# Altium PCB WhiteRHINO_0v1.PcbDoc (part 1 of 10) (continued)
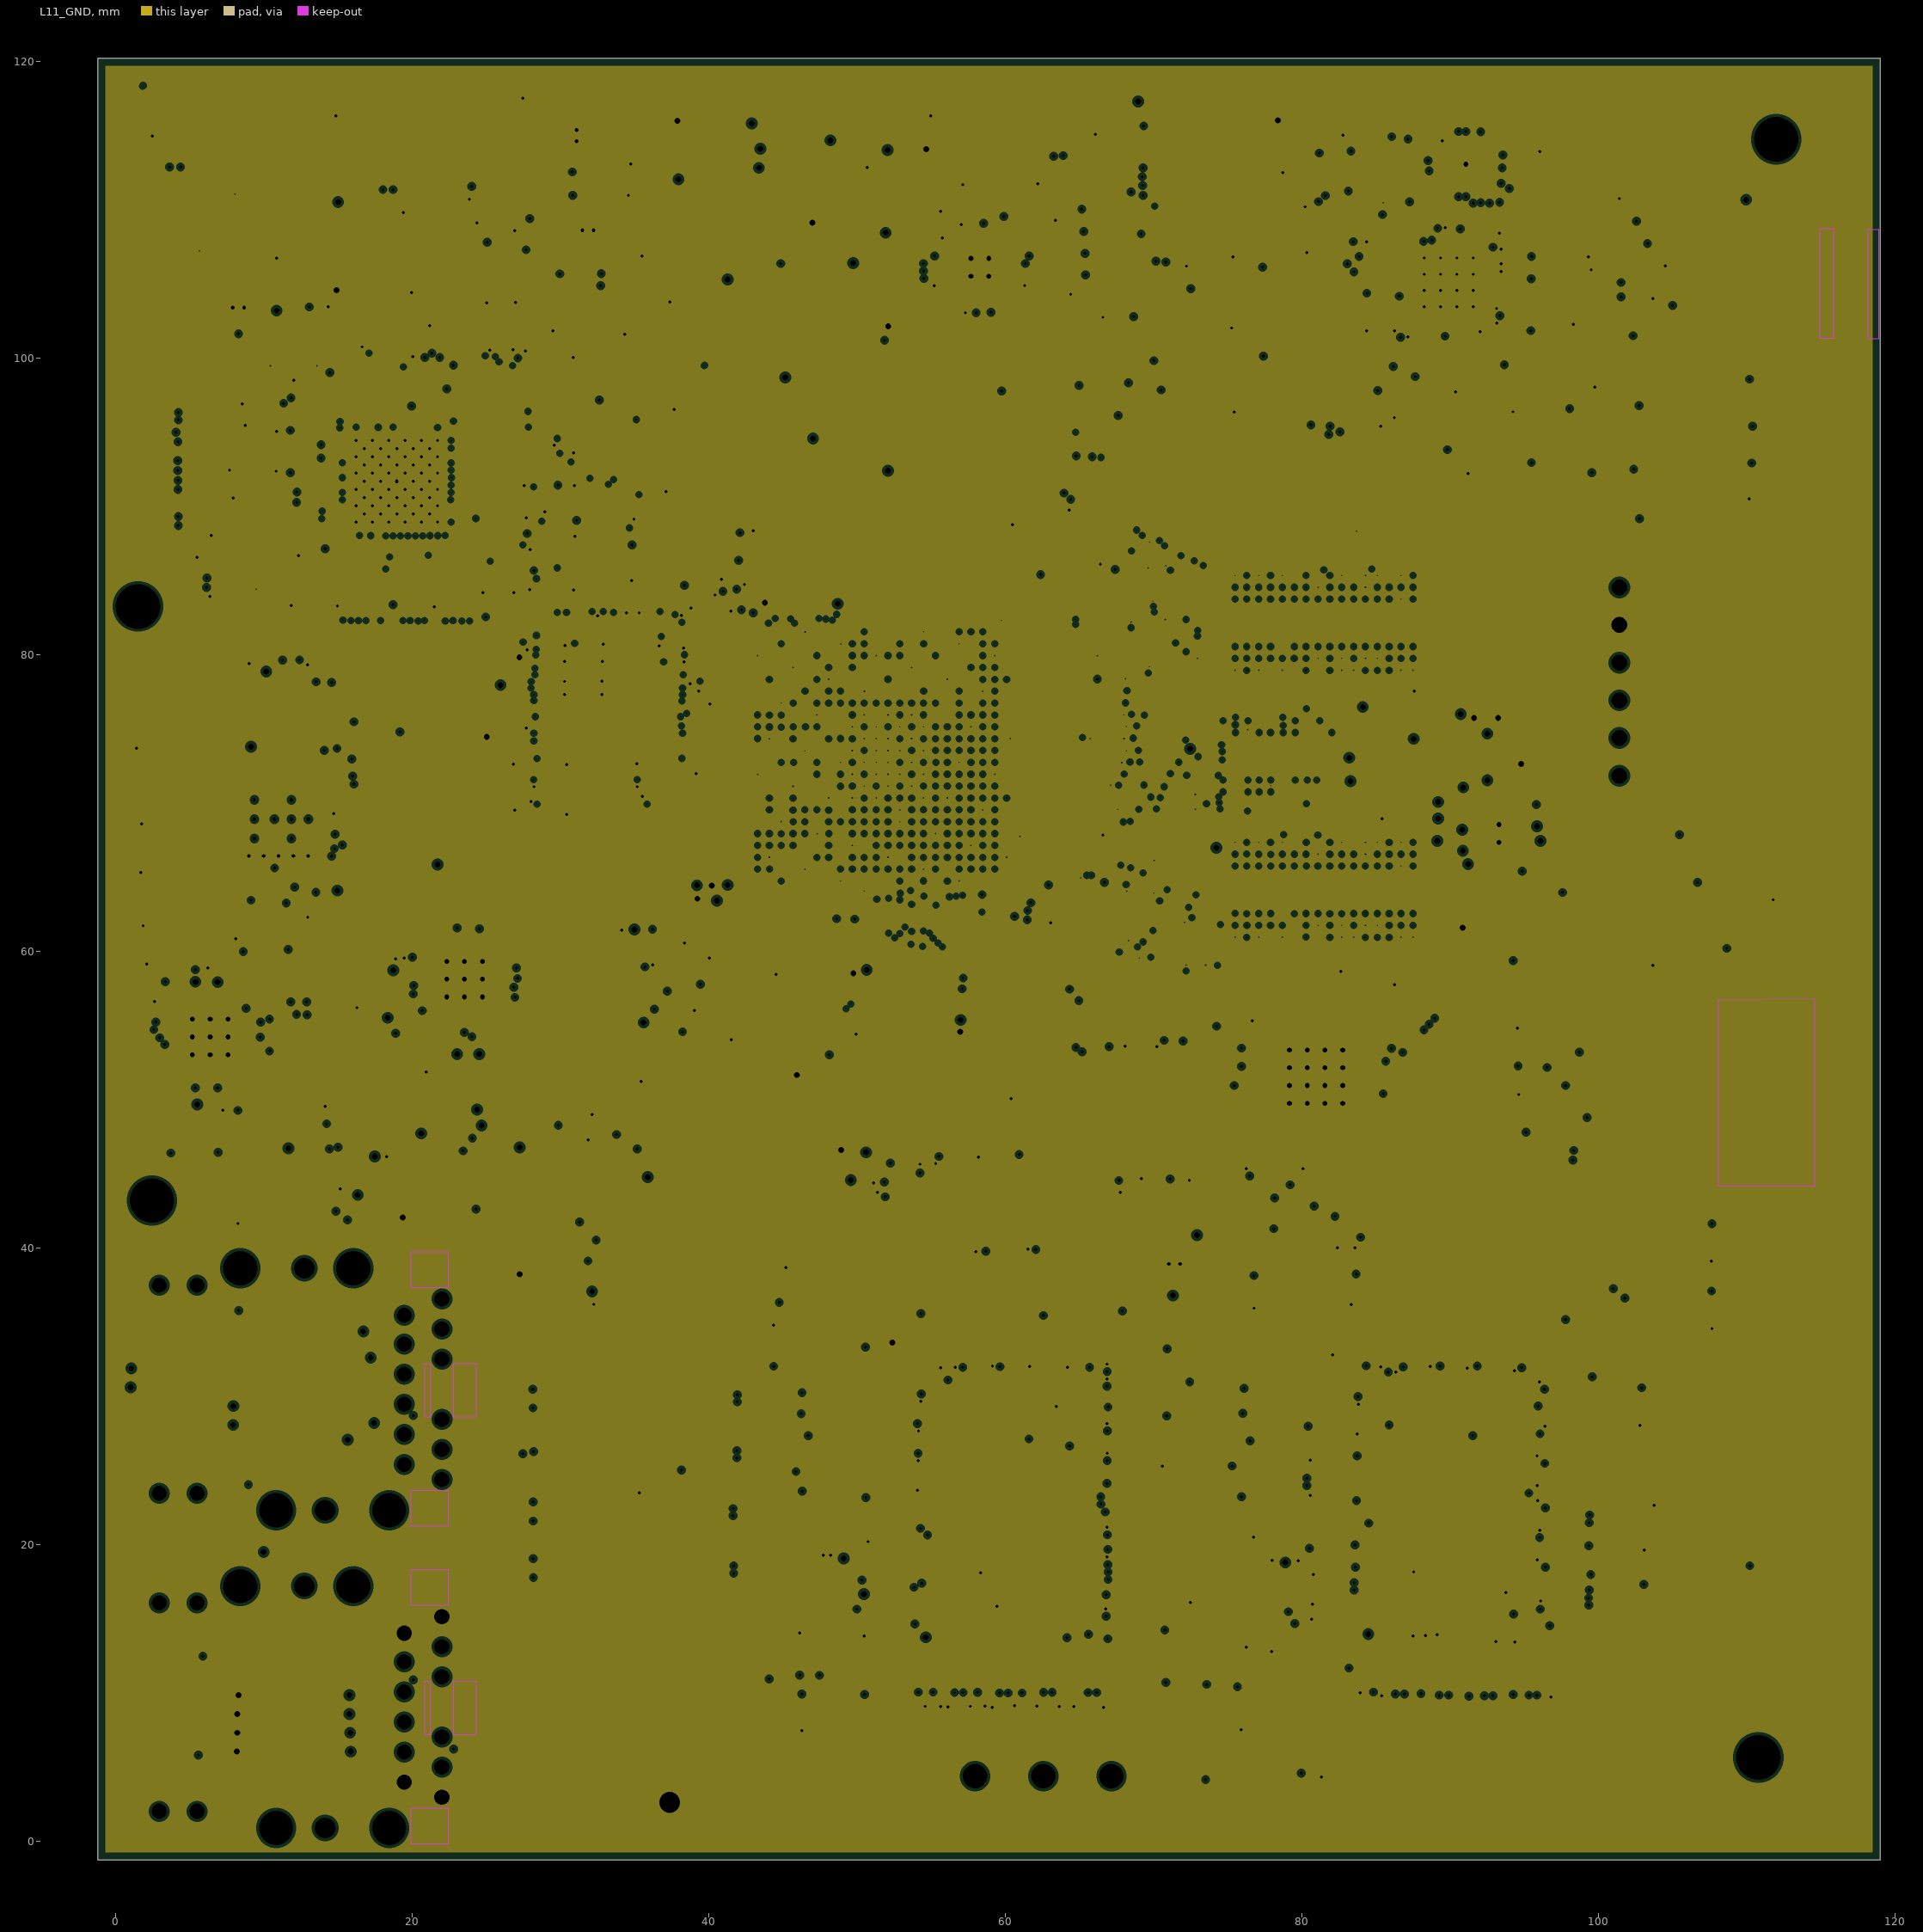
[diagram p11: L11_GND, clearances drawn from the general rule]

## Layer stack, top to bottom
L1_Top Layer: signal copper 0.015
Dielectric: core 0.077, FR-4, Dk 4.4
L2_GND: plane copper 0.015, net GND
Dielectric: prepreg 0.12, FR-4, Dk 4.4
L3_Critical: signal copper 0.015
Dielectric: core 0.12, FR-4, Dk 4.4
L4_Critical: signal copper 0.015
Dielectric: prepreg 0.12, FR-4, Dk 4.4
L5_GND: plane copper 0.015, net GND
Dielectric: core 0.12, FR-4, Dk 4.4
L6_Power: plane copper 0.015, net (Multiple Nets)
Dielectric: prepreg 0.12, FR-4, Dk 4.4
L7_Non-Critical: signal copper 0.015
Dielectric: core 0.12, FR-4, Dk 4.4
L8_Power: plane copper 0.015, net (Multiple Nets)
Dielectric: prepreg 0.12, FR-4, Dk 4.4
L9_Critical: signal copper 0.015
Dielectric: core 0.12, FR-4, Dk 4.4
L10_Critical: signal copper 0.015
Dielectric: prepreg 0.12, FR-4, Dk 4.4
L11_GND: plane copper 0.015, net GND
Dielectric: core 0.077, FR-4, Dk 4.4
L12_Bottom Layer: signal copper 0.015

## Board outline
-1.175,-1.3 119.025,-1.3 119.025,120.2 -1.175,120.2

## Design rules (kind name [scope] priority, off if disabled: settings)
AssemblyTestpoint [All] p1: testpointundercomponent=TRUE minsize=0.05 maxsize=2.54 preferedsize=1.524 minholesize=0 maxholesize=1.016 preferedholesize=0.813 testpointgrid=0.025 usegrid=FALSE gridoriginx=773.161 gridoriginy=248.704 gridtolerance=0 allowsidetop=TRUE allowsidebottom=TRUE
AssemblyTestpoint AssemblyTestpoint_1 [(IsPad And (OnTopLayer Or OnBottomLayer))] p2: testpointundercomponent=TRUE minsize=2 maxsize=2.54 preferedsize=1.524 minholesize=0 maxholesize=1.016 preferedholesize=0.813 testpointgrid=0.025 usegrid=FALSE gridoriginx=773.161 gridoriginy=248.704 gridtolerance=0 allowsidetop=TRUE allowsidebottom=TRUE
Clearance LMS_DIG_IO_Clearance [(InNet('LMS_DIG_IO'))] p1: gap=0.2
Clearance Ethernet_ProcBus_Clearance [InNetClass('Ethernet_1_ProcBus') OR InNetClass('Ethernet_2_ProcBus')] p2: gap=0.2
Clearance DiffPair_All_Clearance [(InDifferentialPairClass('All Differential Pairs'))] p3: gap=0.1
Clearance SinglEnded_DDR3_Clearance [(InNetClass('DDR3_A[0..14]') OR InNetClass('DDR3_BA[0..2]') OR InNetClass('DDR3_CNTL') OR InNetClass('DDR3_DM') OR InNetClass('DDR3_DQ'))] p4: gap=0.2
Clearance DiffPair_DDR3_Clearance [InDifferentialPair('DDR3_CLK0','DDR3_DQS1','DDR3_DQS2','DDR3_DQS3')] p5: gap=0.3
Clearance [All] p6: gap=0.1
DiffPairsRouting DiffPair_EthMDIO_DiffPairsRouting [InDifferentialPair ('MDID','MDIC','MDIB','MDIA','ETH2_MDID','ETH2_MDIC','ETH2_MDIB','ETH2_MDIA','A_D','B_D','C_D','D_D')] p1: maxlimit=0.254 minlimit=0.125 mostfreqgap=0.183 midlayer5_mingap=0 midlayer5_maxgap=0 midlayer5_prefgap=0 maxuncoupledlength=12.7
DiffPairsRouting DiffPair_DDR3_100ohm_DiffPairsRouting [InDifferentialPair ('DDR3_CLK0','DDR3_DQS1','DDR3_DQS2','DDR3_DQS3')] p2: maxlimit=0.254 minlimit=0.125 mostfreqgap=0.183 midlayer5_mingap=0 midlayer5_maxgap=0 midlayer5_prefgap=0 maxuncoupledlength=12.7
DiffPairsRouting DiffPair_RXIN1_DiffPairsRouting [InDifferentialPair ('RXIN1')] p3: maxlimit=0.254 minlimit=0.125 mostfreqgap=0.15 midlayer5_mingap=0 midlayer5_maxgap=0 midlayer5_prefgap=0 maxuncoupledlength=12.7
DiffPairsRouting DiffPair_TXOUT1_DiffPairsRouting [InDifferentialPair ('TXOUT1')] p4: maxlimit=1 minlimit=0.125 mostfreqgap=0.151 midlayer5_mingap=0 midlayer5_maxgap=0 midlayer5_prefgap=0 maxuncoupledlength=12.7
DiffPairsRouting DiffPair_TXOUT2_DiffPairsRouting [InDifferentialPair ('TXOUT2')] p5: maxlimit=1 minlimit=0.125 mostfreqgap=0.151 midlayer5_mingap=0 midlayer5_maxgap=0 midlayer5_prefgap=0 maxuncoupledlength=12.7
DiffPairsRouting DiffPair_USB_JTAG_D_DiffPairsRouting [InDifferentialPair ('USB_JTAG_D')] p6: maxlimit=0.254 minlimit=0.125 mostfreqgap=0.151 midlayer5_mingap=0 midlayer5_maxgap=0 midlayer5_prefgap=0 maxuncoupledlength=12.7
DiffPairsRouting DiffPair_DiffPairsRouting [All] p7: maxlimit=0.254 minlimit=0.1 mostfreqgap=0.151 midlayer5_mingap=0 midlayer5_maxgap=0 midlayer5_prefgap=0 maxuncoupledlength=12.7
FabricationTestpoint [All] p1: side=3 testpointundercomponent=TRUE minsize=0.1 maxsize=2.54 preferedsize=1.524 minholesize=0 maxholesize=1.016 preferedholesize=0.813 testpointgrid=0.025 allowsidetop=TRUE allowsidebottom=TRUE usegrid=FALSE gridoriginx=773.161 gridoriginy=248.704 gridtolerance=0
HoleSize [All] p1: absolutevalues=TRUE maxlimit=3 minlimit=0.1 maxpercent=80.000 minpercent=20.000
HoleToHoleClearance [All] p1: gap=0.2 allowstackedmicrovias=TRUE
MatchedLengths DiffPair_DDR3_80ohm_MatchedLengths [InDifferentialPair ('DDR3_CLK0','DDR3_DQS1','DDR3_DQS2','DDR3_DQS3')] p1: tolerance=2 checknetsindiffpair=TRUE checkdiffpairvsdiffpair=TRUE checkothers=TRUE
MatchedLengths DiffPair_EthMDIO_MatchedLengths [InDifferentialPair ('MDID','MDIC','MDIB','MDIA','ETH2_MDID','ETH2_MDIC','ETH2_MDIB','ETH2_MDIA','A_D','B_D','C_D','D_D')] p2: tolerance=2 checknetsindiffpair=TRUE checkdiffpairvsdiffpair=TRUE checkothers=TRUE
MatchedLengths DiffPair_RXIN1_MatchedLengths [InDifferentialPair ('RXIN1')] p3: tolerance=2 checknetsindiffpair=TRUE checkdiffpairvsdiffpair=TRUE checkothers=TRUE
MatchedLengths DiffPair_TXOUT1_MatchedLengths [InDifferentialPair ('TXOUT1')] p4: tolerance=2 checknetsindiffpair=TRUE checkdiffpairvsdiffpair=TRUE checkothers=TRUE
MatchedLengths DiffPair_TXOUT2_MatchedLengths [InDifferentialPair ('TXOUT2')] p5: tolerance=2 checknetsindiffpair=TRUE checkdiffpairvsdiffpair=TRUE checkothers=TRUE
MatchedLengths DiffPair_USB_JTAG_D_MatchedLengths [InDifferentialPair ('USB_JTAG_D')] p6: tolerance=3.7 checknetsindiffpair=TRUE checkdiffpairvsdiffpair=TRUE checkothers=TRUE
MatchedLengths DDR3_40ohm_SingleEnded_MatchedLengths [(InNetClass('DDR3_A[0..14]') OR InNetClass('DDR3_BA[0..2]') OR InNetClass('DDR3_CNTL') OR InNetClass('DDR3_DM') OR InNetClass('DDR3_DQ'))] p7: tolerance=1 checknetsindiffpair=TRUE checkdiffpairvsdiffpair=TRUE checkothers=TRUE
MinimumSolderMaskSliver [All] p1: minsoldermaskwidth=0
PlaneClearance [All] p1: clearance=0.2
PlaneConnect [All] p1: planeconnectstyle=Direct reliefexpansion=0.1 reliefentries=4 reliefconductorwidth=0.1 reliefairgap=0.1
PolygonConnect [All] p1: connectstyle=Relief reliefconductorwidth=0.254 reliefentries=4 polygonreliefangle="90 Angle" airgapwidth=0.254
RoutingLayers RoutingLayers_All [All] p1: top layer_v5=TRUE mid layer 1_v5=TRUE mid layer 2_v5=TRUE mid layer 3_v5=TRUE mid layer 4_v5=TRUE mid layer 5_v5=TRUE bottom layer_v5=TRUE
RoutingLayers SinglEnded_DDR3_40ohm_Routing [(InNetClass('DDR3_A[0..14]','DDR3_BA[0..2]','DDR3_DQ[0..31]','DDR3_DM[0..3]')) Or (InNet(' DDR3_CKE0','DDR3_RAS','DDR3_CAS','DDR3_S0','DDR3_WE','DDR3_RESET'))] p2: top layer_v5=TRUE mid layer 1_v5=TRUE mid layer 2_v5=TRUE mid layer 3_v5=TRUE mid layer 4_v5=TRUE mid layer 5_v5=FALSE bottom layer_v5=TRUE
RoutingLayers DiffPair_DDR3_80ohm_Routing [InDifferentialPair('DDR3_CLK0','DDR3_DQS1','DDR3_DQS2','DDR3_DQS3')] p3: top layer_v5=TRUE mid layer 1_v5=TRUE mid layer 2_v5=TRUE mid layer 3_v5=TRUE mid layer 4_v5=TRUE mid layer 5_v5=FALSE bottom layer_v5=TRUE
RoutingLayers DiffPair_EthMDIO_Routing [InDifferentialPair('MDID','MDIC','MDIB','MDIA','ETH2_MDID','ETH2_MDIC','ETH2_MDIB','ETH2_MDIA','A_D','B_D','C_D','D_D')] p4: top layer_v5=TRUE mid layer 1_v5=TRUE mid layer 2_v5=TRUE mid layer 3_v5=TRUE mid layer 4_v5=TRUE mid layer 5_v5=FALSE bottom layer_v5=TRUE
RoutingLayers DiffPair_RXIN1_Routing [InDifferentialPair('RXIN1')] p5: top layer_v5=TRUE mid layer 1_v5=TRUE mid layer 2_v5=TRUE mid layer 3_v5=TRUE mid layer 4_v5=TRUE mid layer 5_v5=FALSE bottom layer_v5=TRUE
RoutingLayers DiffPair_TXOUT1_Routing [InDifferentialPair('TXOUT1')] p6: top layer_v5=TRUE mid layer 1_v5=TRUE mid layer 2_v5=TRUE mid layer 3_v5=TRUE mid layer 4_v5=TRUE mid layer 5_v5=FALSE bottom layer_v5=TRUE
RoutingLayers DiffPair_TXOUT2_Routing [InDifferentialPair('TXOUT2')] p7: top layer_v5=TRUE mid layer 1_v5=TRUE mid layer 2_v5=TRUE mid layer 3_v5=TRUE mid layer 4_v5=TRUE mid layer 5_v5=FALSE bottom layer_v5=TRUE
RoutingLayers DiffPair_USB_JTAG_D_Routing [InDifferentialPair('USB_JTAG_D')] p8: top layer_v5=TRUE mid layer 1_v5=TRUE mid layer 2_v5=TRUE mid layer 3_v5=TRUE mid layer 4_v5=TRUE mid layer 5_v5=FALSE bottom layer_v5=TRUE
RoutingVias [All] p1: holewidth=0.2 width=0.3 viastyle="Through Hole" minholewidth=0.1 minwidth=0.15 maxholewidth=0.4 maxwidth=0.55
SignalStimulus [All] p1: kind=1 level=0 starttime=2.000n stoptime=2.500n periodtime=8.000n
SilkToSilkClearance [All] p1: silktosilkclearance=0.15
SilkToSolderMaskClearance SilkscreenOverComponentPads [IsPad] p1: minsilkscreentomaskgap=0.1 clearancetoexposedcopper=TRUE
SolderMaskExpansion [All] p1: expansion=0.102
SupplyNets DDR_1V5 [InNet('DDR_1V5')] p1: voltage=1.500
SupplyNets GND [InNet('GND')] p2: voltage=0.000
SupplyNets DDR_0V75 [InNet('DDR_0V75')] p3: voltage=750.0m
Width RF_PowerSupply [InNetClass('RF_PowerSupply')] p1: maxlimit=1 minlimit=0.254 preferedwidth=0.8 minimp=50.000000 maximp=50.000000 favimp=50.000000
Width Other_PowerSupply [InNet('VCC1V0','VU_12V0','NetC305_2','VCC5V0','NetL6_1','NetL7_1','NetL8_1','NetL9_1','NetL10_1','VCC1V5','NetC325_1','NetC342_1')] p2: maxlimit=1 minlimit=0.254 preferedwidth=0.8 minimp=50.000000 maximp=50.000000 favimp=50.000000
Width Width_LMS_PowerPin_Nets [((InNetClass('LMS_PowerPin_Nets')) OR (InNet('NetC295_2')) OR InNet('VCC_1V8_LM') OR InNet('VCC_3V3_LM') OR InNet('VCC_1V8_RXLO_LM') OR InNet('VCC_1V8_TXLO_LM'))] p3: maxlimit=0.5 minlimit=0.2 preferedwidth=0.254 minimp=50.000000 maximp=50.000000 favimp=50.000000
Width Width_Power [InNet('VCC3V3','VCC1V8','A_VCC1V8','A_VCC2V5','VADJ','JTAG_PHY_3V3','JTAG_PLL_3V3')] p4: maxlimit=1 minlimit=0.2 preferedwidth=0.35 minimp=50.000000 maximp=50.000000 favimp=50.000000
Width Width_VCC_2V8_TCXO [InNet('VCC_2V8_TCXO')] p5: maxlimit=1 minlimit=0.2 preferedwidth=0.5 minimp=50.000000 maximp=50.000000 favimp=50.000000
Width Width_GND_Traces [InNet('GND','A_GND')] p6: maxlimit=2 minlimit=0.2 preferedwidth=0.35 minimp=50.000000 maximp=50.000000 favimp=50.000000
Width Width_Power_DDR [(InNet('DDR_1V5') OR InNet('DDR_0V75') OR InNet('DDR_VREF'))] p7: maxlimit=0.35 minlimit=0.2 preferedwidth=0.35 minimp=50.000000 maximp=50.000000 favimp=50.000000
Width DiffPair_EthMDIO_Width [InDifferentialPair('MDID','MDIC','MDIB','MDIA','ETH2_MDID','ETH2_MDIC','ETH2_MDIB','ETH2_MDIA','A_D','B_D','C_D','D_D')] p8: maxlimit=0.115 minlimit=0.1 preferedwidth=0.1 toplayer_minwidth=0.115 toplayer_prefwidth=0.115 midlayer1_maxwidth=0.1 midlayer2_maxwidth=0.1 midlayer3_maxwidth=0.1 midlayer4_maxwidth=0.1 midlayer5_minwidth=0 midlayer5_maxwidth=0 midlayer5_prefwidth=0 bottomlayer_minwidth=0.115 bottomlayer_prefwidth=0.115 minimp=50.000000 maximp=50.000000 favimp=50.000000
Width DiffPair_DDR3_100ohm_Width [InDifferentialPair('DDR3_CLK0','DDR3_DQS1','DDR3_DQS2','DDR3_DQS3')] p9: maxlimit=0.115 minlimit=0.1 preferedwidth=0.1 toplayer_minwidth=0.115 toplayer_prefwidth=0.115 midlayer1_maxwidth=0.1 midlayer2_maxwidth=0.1 midlayer3_maxwidth=0.1 midlayer4_maxwidth=0.1 midlayer5_minwidth=0 midlayer5_maxwidth=0 midlayer5_prefwidth=0 bottomlayer_minwidth=0.115 bottomlayer_prefwidth=0.115 minimp=50.000000 maximp=50.000000 favimp=50.000000
Width DiffPair_RXIN1_Width [(InDifferentialPair('RXIN1')  or InNetClass('Diff_50'))] p10: maxlimit=0.253 minlimit=0.243 preferedwidth=0.243 toplayer_minwidth=0.253 toplayer_prefwidth=0.253 midlayer1_maxwidth=0.243 midlayer2_maxwidth=0.243 midlayer3_maxwidth=0.243 midlayer4_maxwidth=0.243 midlayer5_minwidth=0 midlayer5_maxwidth=0 midlayer5_prefwidth=0 bottomlayer_minwidth=0.253 bottomlayer_prefwidth=0.253 minimp=50.000000 maximp=50.000000 favimp=50.000000
Width DiffPair_TXOUT1_Width [(InDifferentialPair('TXOUT1') or InNetClass('Diff_65'))] p11: maxlimit=0.199 minlimit=0.185 preferedwidth=0.185 toplayer_minwidth=0.199 toplayer_prefwidth=0.199 midlayer1_maxwidth=0.185 midlayer2_maxwidth=0.185 midlayer3_maxwidth=0.185 midlayer4_maxwidth=0.185 midlayer5_minwidth=0 midlayer5_maxwidth=0 midlayer5_prefwidth=0 bottomlayer_minwidth=0.199 bottomlayer_prefwidth=0.199 minimp=50.000000 maximp=50.000000 favimp=50.000000
Width DiffPair_TXOUT2_Width [InDifferentialPair('TXOUT2')] p12: maxlimit=0.199 minlimit=0.185 preferedwidth=0.185 toplayer_minwidth=0.199 toplayer_prefwidth=0.199 midlayer1_maxwidth=0.185 midlayer2_maxwidth=0.185 midlayer3_maxwidth=0.185 midlayer4_maxwidth=0.185 midlayer5_minwidth=0 midlayer5_maxwidth=0 midlayer5_prefwidth=0 bottomlayer_minwidth=0.199 bottomlayer_prefwidth=0.199 minimp=65.000000 maximp=65.000000 favimp=65.000000
Width DiffPair_USB_JTAG_D_Width [InDifferentialPair('USB_JTAG_D')] p13: maxlimit=0.13 minlimit=0.115 preferedwidth=0.115 toplayer_minwidth=0.13 toplayer_prefwidth=0.13 midlayer1_maxwidth=0.115 midlayer2_maxwidth=0.115 midlayer3_maxwidth=0.115 midlayer4_maxwidth=0.115 midlayer5_minwidth=0 midlayer5_maxwidth=0 midlayer5_prefwidth=0 bottomlayer_minwidth=0.13 bottomlayer_prefwidth=0.13 minimp=50.000000 maximp=50.000000 favimp=90.000000
Width Width_50ohm [All] p14: maxlimit=2 minlimit=0.1 preferedwidth=0.115 midlayer5_prefwidth=0.1 minimp=50.000000 maximp=50.000000 favimp=50.000000
Width SinglEnded_DDR3_50ohm_Width [(InNetClass('DDR3_A[0..14]') OR InNetClass('DDR3_BA[0..2]') OR InNetClass('DDR3_CNTL') OR InNetClass('DDR3_DM') OR InNetClass('DDR3_DQ'))] p15: maxlimit=0.115 minlimit=0.115 preferedwidth=0.115 midlayer5_minwidth=0 midlayer5_maxwidth=0 midlayer5_prefwidth=0 minimp=50.000000 maximp=50.000000 favimp=50.000000
17 further rules are at their usual default settings.

## Classes and differential pairs
net class SD_IO: SD_CD SD_CLK SD_CMD SD_D0 SD_D1 SD_D2 SD_WP
net class UART1: UART_1_RXD UART_1_TXD
net class UART0: UART_0_RXD UART_0_TXD
net class JTAG: JTAG_HEAD_PROG_RST JTAG_TCLK JTAG_TDI JTAG_TDO JTAG_TMS
net class I2C: NetJ10_5 NetJ10_6
net class Ethernet_2_ProcBus: ETH2_RXCLK ETH2_RXCTL ETH2_RXD0 ETH2_RXD1 ETH2_RXD2 ETH2_RXD3 ETH2_TXCLK ETH2_TXCTL ETH2_TXD0 ETH2_TXD1 ETH2_TXD2 ETH2_TXD3 MDC MDIO
net class Ethernet_1_ProcBus: ETH1_RXCLK ETH1_RXCTL ETH1_RXD0 ETH1_RXD1 ETH1_RXD2 ETH1_RXD3 ETH1_TXCLK ETH1_TXCTL ETH1_TXD0 ETH1_TXD1 ETH1_TXD2 ETH1_TXD3 MDC MDIO
net class DDR3_BA[0..2]: DDR3_BA0 DDR3_BA1 DDR3_BA2
net class DDR3_A[0..14]: DDR3_A0 DDR3_A1 DDR3_A2 DDR3_A3 DDR3_A4 DDR3_A5 DDR3_A6 DDR3_A7 DDR3_A8 DDR3_A9 DDR3_A10 DDR3_A11 DDR3_A12 DDR3_A13 DDR3_A14
component class USBJTAG_USBUART_4-Channel: J6 U51
component class Ethernet2_MDIO: J3
component class Ethernet1_MDIO: J2
net class DDR3_DM: DDR3_DM0 DDR3_DM1 DDR3_DM2 DDR3_DM3
net class DDR3_DQ: DDR3_DQ00 DDR3_DQ01 DDR3_DQ02 DDR3_DQ03 DDR3_DQ04 DDR3_DQ05 DDR3_DQ06 DDR3_DQ07 DDR3_DQ08 DDR3_DQ09 DDR3_DQ10 DDR3_DQ11 DDR3_DQ12 DDR3_DQ13 DDR3_DQ14 DDR3_DQ15 DDR3_DQ16 DDR3_DQ17 DDR3_DQ18 DDR3_DQ19 DDR3_DQ20 DDR3_DQ21 DDR3_DQ22 DDR3_DQ23 DDR3_DQ24 DDR3_DQ25 DDR3_DQ26 DDR3_DQ27 DDR3_DQ28 DDR3_DQ29 DDR3_DQ30 DDR3_DQ31
net class DDR3_CNTL: DDR3_CAS DDR3_CKE0 DDR3_ODT0 DDR3_RAS DDR3_RESET DDR3_S0 DDR3_WE
net class LMS_DIG_IO: LM_RESET PLL_CLK_OUT RX_CLK RX_CLKOUT RX_EN RX_IQ_SEL RXD00 RXD01 RXD02 RXD03 RXD04 RXD05 RXD06 RXD07 RXD08 RXD09 RXD10 RXD11 TX_CLK TX_EN TX_IQ_SEL TXD00 TXD01 TXD02 TXD03 TXD04 TXD05 TXD06 TXD07 TXD08 TXD09 TXD10 TXD11
net class Diff_65: GND NetC437_2 NetC438_2 NetC442_2 NetC443_2 TXOUT1_N TXOUT1_P
net class Diff_50: NetC397_2 NetC399_2 NetU40_5 RXIN1_N RXIN1_P
net class LMS_PowerPin_Nets: GND NetC403_2 NetC404_1 NetC405_1 NetC406_1 NetC407_2 NetC408_1 NetC409_2 NetC410_2 NetC411_2 NetC412_2 NetC413_2 NetC414_1 NetC416_1 NetC417_2 NetC418_2 NetC421_2 NetC422_2 NetC423_1 NetC424_2 NetC425_2 NetFB18_1 NetFB20_2 NetR260_2 NetR261_2 VCC_1V8_LM VCC_1V8_RXLO_LM VCC_1V8_TXLO_LM VCC_3V3_LM
net class RF_PowerSupply: GND NetC378_1 NetC378_2 NetC381_2 NetC382_1 NetC382_2 NetC385_2 NetR195_2 NetR246_1 NetR248_2 NetU35_4 NetU35_5 VCC_3V3_LM VCC_6V0_SG VU_12V0
net class PGOOD_CLASS: PGOOD_DDR PGOOD_VCC1V0 PGOOD_VCC1V8 PGOOD_VCC5V0
differential pair MDID: +MDID_P -MDID_N
differential pair MDIC: +MDIC_P -MDIC_N
differential pair MDIB: +MDIB_P -MDIB_N
differential pair MDIA: +MDIA_P -MDIA_N
differential pair ETH2_MDID: +ETH2_MDID_P -ETH2_MDID_N
differential pair ETH2_MDIC: +ETH2_MDIC_P -ETH2_MDIC_N
differential pair ETH2_MDIB: +ETH2_MDIB_P -ETH2_MDIB_N
differential pair ETH2_MDIA: +ETH2_MDIA_P -ETH2_MDIA_N
differential pair USB_JTAG_D: +USB_JTAG_D_P -USB_JTAG_D_N
differential pair TXOUT2: +TXOUT2_P -TXOUT2_N
differential pair TXOUT1: +TXOUT1_P -TXOUT1_N
differential pair RXIN3: +RXIN3_P -RXIN3_N
differential pair RXIN2: +RXIN2_P -RXIN2_N
differential pair RXIN1: +RXIN1_P -RXIN1_N
differential pair DDR3_DQS3: +DDR3_DQS3_P -DDR3_DQS3_N
differential pair DDR3_DQS2: +DDR3_DQS2_P -DDR3_DQS2_N
differential pair DDR3_DQS1: +DDR3_DQS1_P -DDR3_DQS1_N
differential pair DDR3_DQS0: +DDR3_DQS0_P -DDR3_DQS0_N
differential pair DDR3_CLK0: +DDR3_CLK0_P -DDR3_CLK0_N
differential pair A_D: +A_D_P -A_D_N
differential pair B_D: +B_D_P -B_D_N
differential pair C_D: +C_D_P -C_D_N
differential pair D_D: +D_D_P -D_D_N

## Components (designator, comment, footprint, x,y, rotation, side; value= is the part's Value field where it differs from the comment)
C1 "CAP_0402" CAPC0402(1005)60_N 20.525,101.65 r90 top
C2 "CAP_0402" CAPC0402(1005)60_N 10.125,84.8 r90 bottom locked
C3 "CAP_0402" CAPC0402(1005)60_N 13.4,84.775 r90 bottom
C4 "CAP_0402" CAPC0402(1005)60_N 14.675,84.775 r90 bottom
C5 "CAP_0402" CAPC0402(1005)60_N 14.125,79.3 r0 top
C6 "CAP_0402" CAPC0402(1005)60_N 34.45,107.25 r270 bottom
C7 "CAP_0402" CAPC0402(1005)60_N 34.45,103.25 r90 bottom locked
C8 "CAP_0402" CAPC0402(1005)60_N 36.95,104.75 r180 bottom
C9 "CAP_0603" CAPC0603(1608)100_N 26.325,67.4 r270 bottom
C10 "CAP_1206" CAPC1206(3216)100_N 24.25,68 r270 bottom
C11 "CAP_0402" CAPC0402(1005)60_N 50.1,75.925 r180 bottom
C12 "CAP_0402" CAPC0402(1005)60_N 26.5,64.475 r90 bottom
C13 "CAP_0402" CAPC0402(1005)60_N 25.135,64.475 r90 bottom
C14 "CAP_0402" CAPC0402(1005)60_N 23.75,64.475 r90 bottom
C15 "CAP_1206" CAPC1206(3216)100_N 16.825,78.725 r270 top
C16 "CAP_0603" CAPC0603(1608)100_N 25.975,79.575 r270 top
C17 "CAP_0603" CAPC0603(1608)100_N 21.15,76.5 r90 top
C18 "CAP_0603" CAPC0603(1608)100_N 22.75,76.5 r90 top
C19 "CAP_0402" CAPC0402(1005)60_N 25.5,76.05 r90 top
C20 "CAP_0402" CAPC0402(1005)60_N 40.7,66 r0 top
C21 "CAP_0402" CAPC0402(1005)60_N 46.5,69.95 r270 bottom
C22 "CAP_0402" CAPC0402(1005)60_N 44.9,73.175 r270 bottom
C23 "CAP_0402" CAPC0402(1005)60_N 48.1,65.85 r90 bottom
C24 "CAP_0402" CAPC0402(1005)60_N 43.3,68.375 r270 bottom
C25 "CAP_0402" CAPC0402(1005)60_N 48.875,69.15 r270 bottom
C26 "CAP_0402" CAPC0402(1005)60_N 46.55,72.325 r270 bottom
C27 "CAP_0402" CAPC0402(1005)60_N 45.7,75.525 r270 bottom
C28 "CAP_0402" CAPC0402(1005)60_N 59.759,67.903 r180 bottom
C29 "CAP_0402" CAPC0402(1005)60_N 61.584,68.178 r90 bottom
C30 "CAP_0402" CAPC0402(1005)60_N 62.909,67.653 r90 bottom
C31 "CAP_0402" CAPC0402(1005)60_N 66.934,77.003 r90 bottom
C32 "CAP_0402" CAPC0402(1005)60_N 65.434,77.003 r90 bottom
C33 "CAP_0402" CAPC0402(1005)60_N 63.894,77.003 r90 bottom
C34 "CAP_0402" CAPC0402(1005)60_N 62.934,65.403 r270 bottom
C35 "CAP_0402" CAPC0402(1005)60_N 67.209,67.078 r270 bottom
C36 "CAP_0402" CAPC0402(1005)60_N 66.934,79.453 r270 bottom
C37 "CAP_0402" CAPC0402(1005)60_N 65.484,79.453 r270 bottom
C38 "CAP_0402" CAPC0402(1005)60_N 65.759,67.078 r270 bottom
C39 "CAP_1206" CAPC1206(3216)100_N 19.2,78.725 r270 top
C40 "CAP_0603" CAPC0603(1608)100_N 24.366,79.572 r270 top
C41 "CAP_0603" CAPC0603(1608)100_N 22.766,79.572 r270 top
C42 "CAP_0603" CAPC0603(1608)100_N 21.166,79.572 r270 top
C43 "CAP_0402" CAPC0402(1005)60_N 24.225,76.05 r90 top
C44 "CAP_0402" CAPC0402(1005)60_N 40.725,69.875 r0 top
C45 "CAP_0402" CAPC0402(1005)60_N 43.3,76.4 r270 bottom
C46 "CAP_0402" CAPC0402(1005)60_N 40.725,68.6 r0 top
C47 "CAP_0402" CAPC0402(1005)60_N 40.7,67.325 r0 top
C48 "CAP_0402" CAPC0402(1005)60_N 44.075,70.75 r270 bottom
C49 "CAP_0402" CAPC0402(1005)60_N 45.35,64.7 r180 bottom
C50 "CAP_0402" CAPC0402(1005)60_N 46.125,67.125 r180 bottom
C51 "CAP_0402" CAPC0402(1005)60_N 48.1,74.775 r270 bottom
C52 "CAP_0603" CAPC0603(1608)100_N 65.431,61.539 r0 top
C53 "CAP_0603" CAPC0603(1608)100_N 64.734,83.553 r180 top
C54 "CAP_0603" CAPC0603(1608)100_N 64.709,85.353 r180 top
C55 "CAP_1206" CAPC1206(3216)100_N 63.909,87.553 r180 top
C56 "CAP_1206" CAPC1206(3216)100_N 64.634,59.403 r0 top
C57 "CAP_0402" CAPC0402(1005)60_N 65.834,63.128 r0 top
C58 "CAP_0402" CAPC0402(1005)60_N 68.609,67.078 r270 bottom
C59 "CAP_1206" CAPC1206(3216)100_N 49.9,85.95 r270 top